# Altium PCB RaspberryHatBoard1.PcbDoc (part 3 of 3)
Units mm, origin at the board's own origin, x right, y up, seen from the top; angles counter-clockwise.
Board outline 65 x 56 mm, 2 copper layers (Top Layer, Bottom Layer); 197 components, 133 nets, 606 pads, 245 vias.
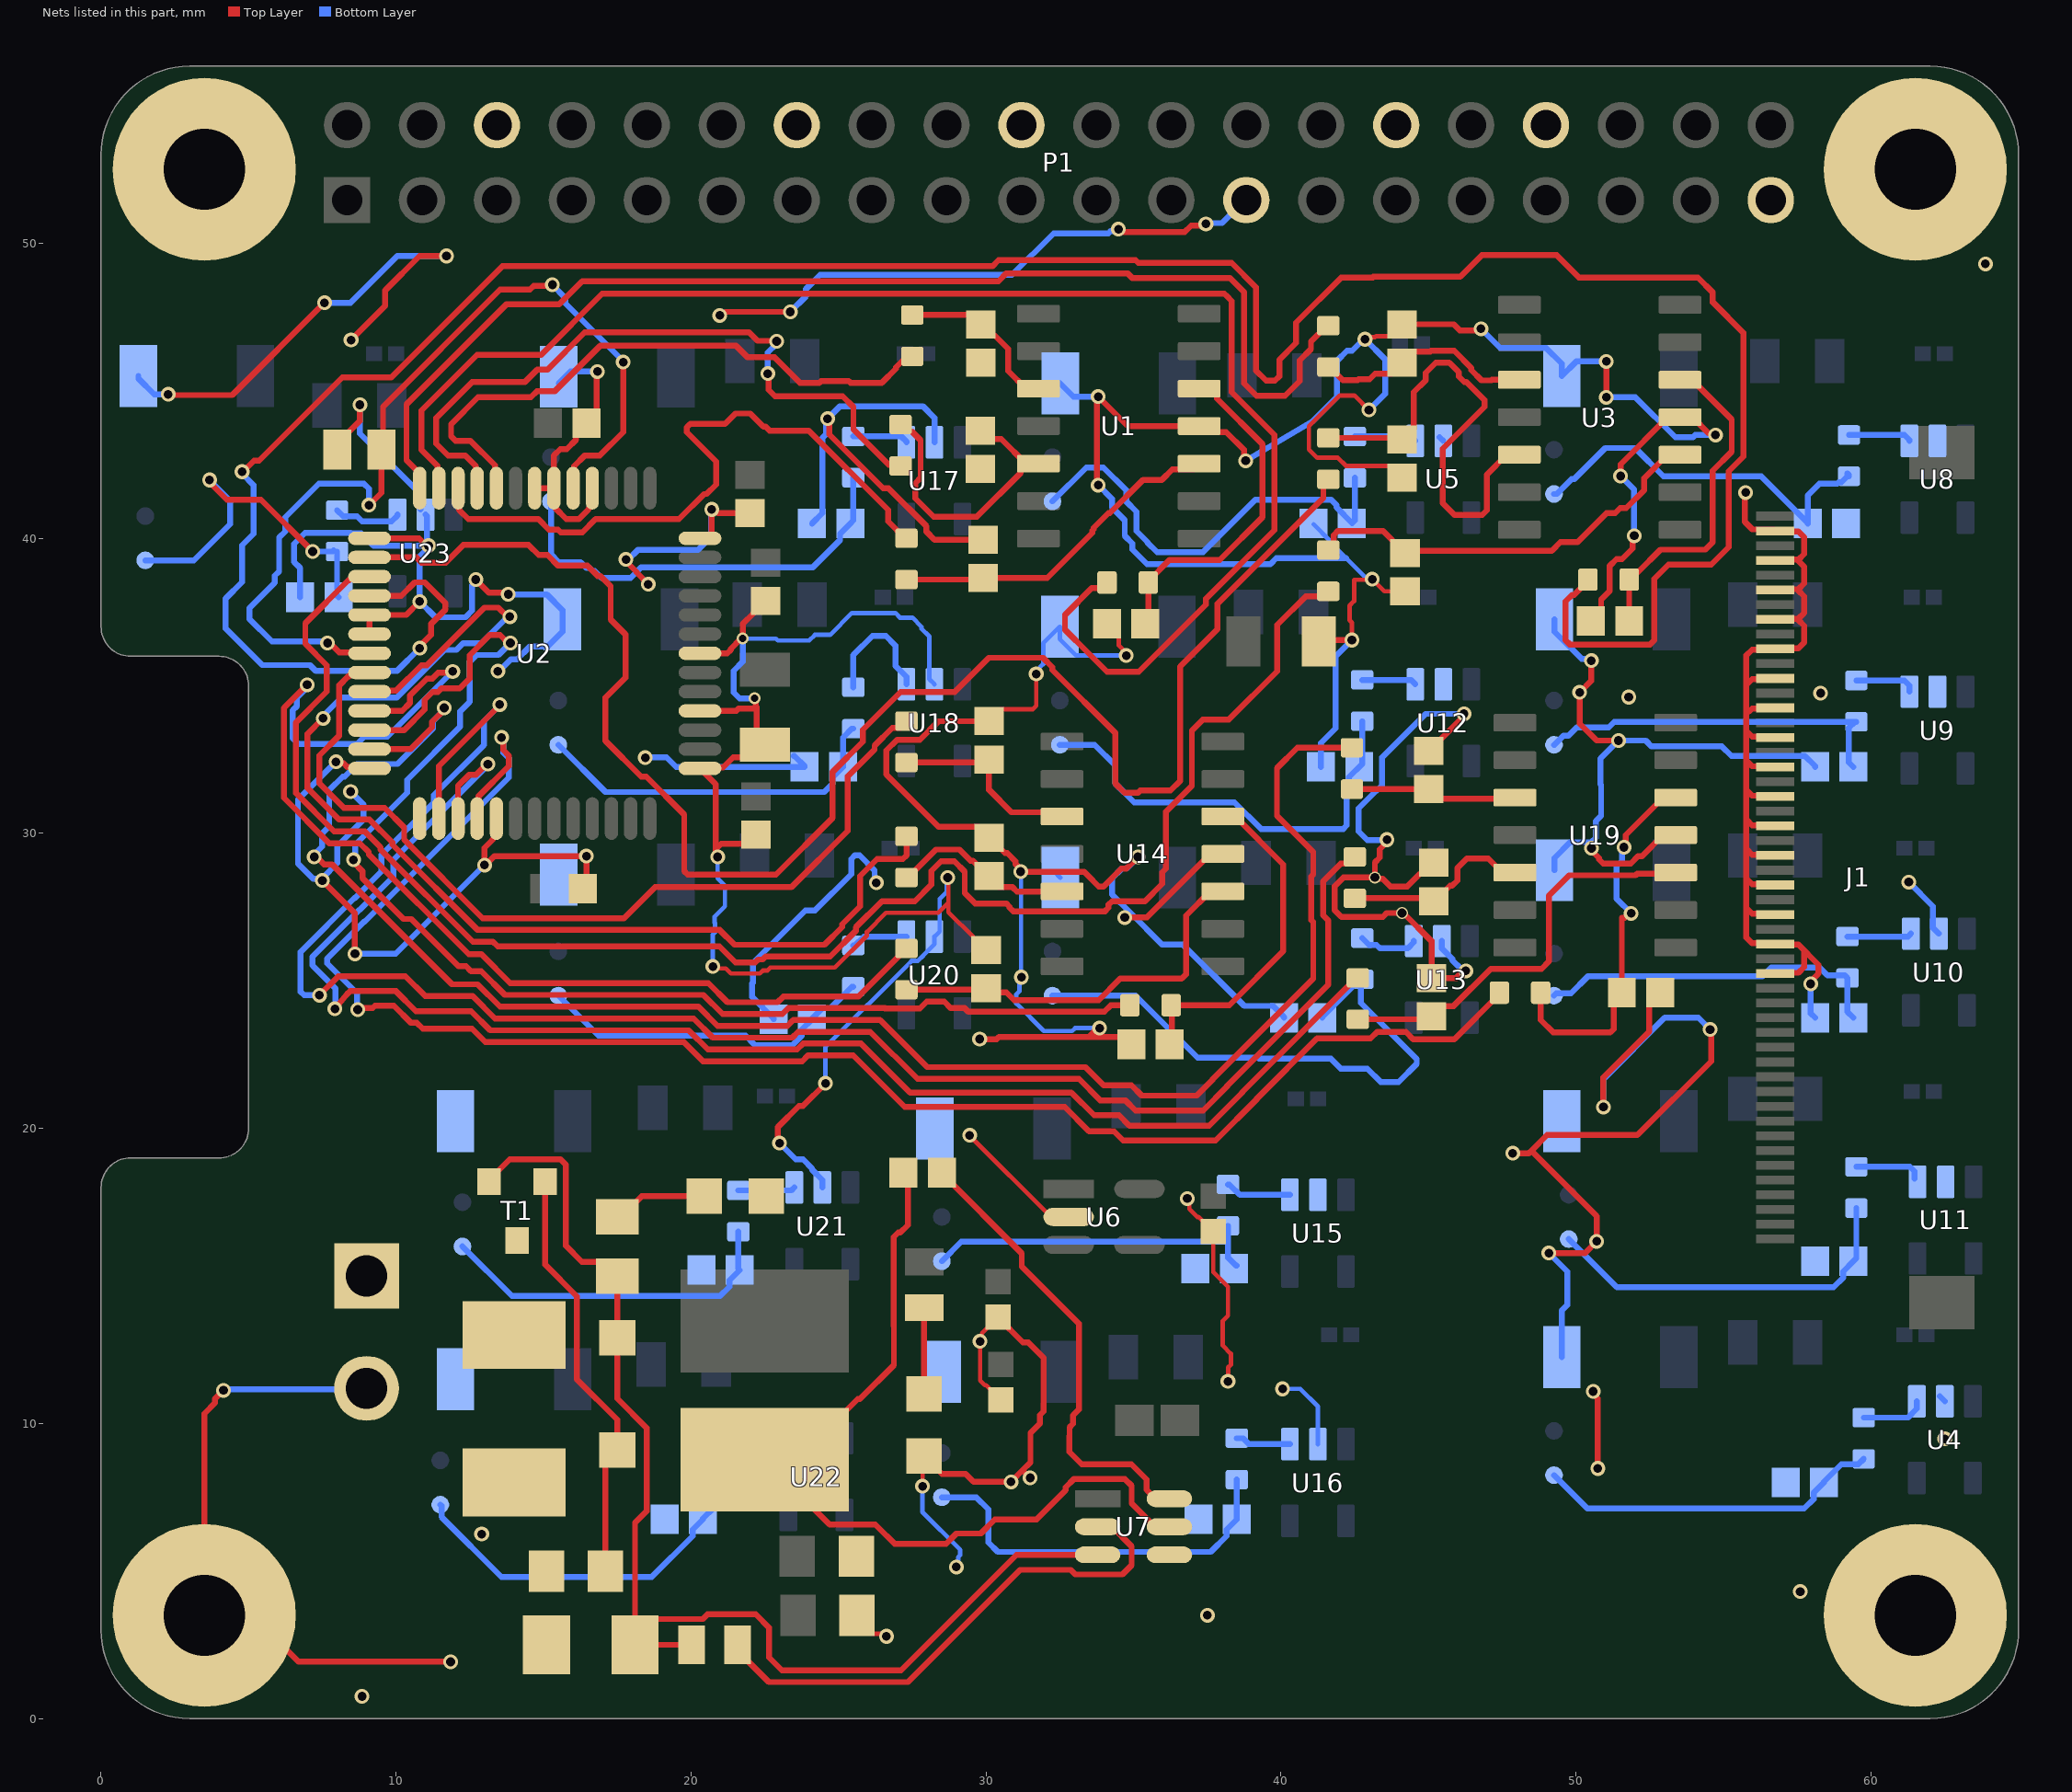
[diagram p3: the nets of this part, all layers, seen from the top]

## Via types
v1: diameter 0.5, hole 0.3, Top Layer to Bottom Layer, tented both sides, 235 vias
v2: diameter 0.4, hole 0.3, Top Layer to Bottom Layer, tented both sides, 3 vias
v3: diameter 0.4, hole 0.2, Top Layer to Bottom Layer, tented both sides, 3 vias
v4: diameter 0.5, hole 0.3, Top Layer to Bottom Layer, 2 vias
v5: diameter 0.4, hole 0.25, Top Layer to Bottom Layer, tented both sides, 2 vias

## Nets (pads, with @x,y where several pads share a name; then routed paths per layer and width w, separated by ;. In a path a pad name is that pad's centre, name@x,y a point inside that pad or via, vN(x,y) a via of type N, cw(c..) or ccw(c..) an arc to the next point about the centre after c; other vN are vias at no path point) (continued)
GND: C1.1 C3.2 C4.2 C5.1 C6.1 C7.1 C8.1 C9.2 C10.2 C11.2 C12.2 C13.2 C14.2 C15.2 C16.2 C17.2 C18.2 C19.2 C20.2 C21.2 C22.2 C23.2 C24.2 C25.2 C26.2 C27.2 C28.2 C29.2 C30.2 C31.2 C32.2 C33.2 C34.2 C35.2 C36.2 C37.2 C38.2 C39.2 C40.2 C41.2 C42.2 C43.1 C44.1 C45.1 C46.1 C47.2 D1.1 D2.1 D3.1 D4.1 D5.1 D6.1 D7.1 D8.1 D9.1 D10.1 D11.1 D12.1 D13.1 D14.1 D15.1 D16.1 D17.2 D19.1 D20.1 J1.2 J1.4 J1.6 J1.8 J1.10 J1.12 J1.14 J1.16 J1.18 J1.20 J1.22 J1.24 J1.26 J1.28 J1.30 J1.32 J3.2 P1.6 P1.14 P1.20 P1.25 P1.30 P1.34 P1.39 pad.0 R17.1 U1.11 U2.4 U2.6 U2.7 U2.14 U2.18 U2.19 U2.26 U2.27 U2.31 U2.40 U2.43 U2.46 U2.52 U3.11 U4.2 U5.2 U6.2 U7.4 U8.2 U9.2 U10.2 U11.2 U12.2 U13.2 U14.11 U15.2 U16.2 U17.2 U18.2 U19.11 U20.2 U21.2 U22.2 U23.2 | length 499.3
  Top Layer w0.15: v1(20.737,25.488) 20.804,25.421 21.178,25.421 21.349,25.25 22.333,25.25 22.433,25.35 22.584,25.35 22.684,25.45 24.873,25.45 25.959,26.536 25.959,26.659 26.606,27.305 28.38,27.305 28.725,27.65 ; C11.2@25.625,3.5 25.625,3.4 26.15,2.875 26.443,2.875 26.529,2.789 v1(26.624,2.789) ; v1(27.849,7.873) 27.849,8.849 D20.1@27.9,8.9 ; v1(28.7,28.5) 28.725,28.475 28.725,27.65 ; v1@29.432,19.767 32.199,17 U6.2@32.799,17 ; v1(29.793,12.783) 29.796,12.781 29.796,11.459 29.957,11.298 30,11.298 C6.1@30.499,10.799 ; v1@29.801,12.776 29.86,12.835 29.86,13.06 C8.1@30.399,13.599 ; C27.2@30,26.05 29.975,26.05 29.575,26.45 29.575,26.475 28.725,27.325 28.725,27.65 ; C25.2@30.1,33.8 30.5,34.2 31.579,34.2 31.7,34.321 v1(31.7,35.4) ; C13.2@34.1,37.1 34.5,36.7 34.5,36.37 34.75,36.12 v1(34.75,36.025) ; v1(36.821,17.625) 36.888,17.558 36.888,17.267 37.157,16.998 37.2,16.998 C7.1@37.699,16.499 ; C7.1@37.7,16.499 37.7,15.128 38.2,14.628 38.2,13.658 38.025,13.483 38.025,12.639 38.3,12.364 38.3,11.992 38.208,11.9 38.208,11.433 v1(38.2,11.425) ; v1(42.4,36.55) 42.4,37.144 42.323,37.221 42.323,37.721 42.475,37.872 42.475,38.593 43.073,38.593 v1(43.09,38.61) 43.5,38.2 C19.2@44.2,38.2 ; v1(42.845,46.745) 42.912,46.812 43.179,46.812 43.217,46.85 43.7,46.85 C17.2@44.1,47.25 ; v1(42.977,44.347) 42.484,44.839 41.989,44.839 40.945,43.796 40.945,43.004 41.222,42.727 41.924,42.727 42.201,42.45 43.7,42.45 C18.2@44.1,42.05
  Top Layer w0.2: v1(2.275,44.875) 2.3,44.85 4.444,44.85 v1(7.575,47.981) ; v4(4.15,11.125) 3.865,10.84 3.865,10.698 3.5,10.333 pad.0@3.5,3.5 5.124,3.5 6.699,1.925 v1(11.85,1.925) ; v1(7.5,28.4) 8.606,27.294 v1(8.606,25.917) ; v1(7.964,32.426) 8.021,32.368 8.222,32.368 8.343,32.248 9.052,32.248 U2.26@9.1,32.2 ; C1.1@8,43 8,43.2 8.775,43.975 v1(8.775,44.525) ; v1(8.475,46.719) 9.635,47.878 9.635,48.403 10.798,49.566 v1(11.71,49.566) ; U2.19@9.1,36.75 U2.18@9.1,37.4 10.343,37.4 v1(10.8,37.857) ; U2.14@9.1,40 10.783,40 11.033,39.75 v1(11.1,39.75) ; v1(12.7,38.6) 13.15,38.15 13.75,38.15 v1(13.8,38.1) ; D17.2@12.977,9.023 D17.2@14,8 ; v1@13.389,35.494 v1(13.453,35.494) ; U2.31@13.47,30.429 13.47,30.002 13.275,29.807 13.275,29.783 13,29.508 v1(13,28.925) 13.028,28.925 13.331,29.228 v1(16.452,29.228) 16.452,28.352 C42.2@16.289,28.189 ; U2.7@14.7,41.7 U2.6@15.35,41.7 ; U2.4@16.65,41.7 16.65,41.132 16.525,41.007 16.525,40.974 16.199,40.648 15.771,40.648 15.388,41.032 15.388,41.662 U2.6@15.35,41.7 ; v1(16.825,45.65) 16.798,45.623 16.798,44.248 C43.1@16.45,43.9 16.102,43.552 16.102,43.338 15.783,43.019 15.563,43.019 15.35,42.806 U2.6@15.35,41.7 ; v1(17.793,39.282) 17.793,39.218 18.15,38.861 18.15,38.84 v1(18.548,38.442) ; U2.43@20.3,34.15 21.533,34.15 21.607,34.224 22.224,34.224 ; U2.46@20.3,36.1 21.23,36.1 21.347,36.217 21.347,36.253 21.655,36.562 21.712,36.562 v5(21.75,36.6) 21.75,37.1 22.125,37.475 22.125,37.5 22.5,37.875 C45.1@22.525,37.875 ; U2.52@20.3,40 20.583,40 20.699,40.115 v1(20.699,40.977) ; v1@20.675,40.977 20.78,40.977 20.907,40.85 C46.1@22,40.85 ; U2.40@20.7,32.159 20.659,32.2 U2.40@20.3,32.2 20.837,31.663 20.837,29.463 ; U2.40@20.75,32.2 20.788,32.238 21.088,32.238 21.425,32.575 21.799,32.575 C47.2@22.224,33 ; v1(20.9,29.2) 20.843,29.257 20.843,29.414 20.837,29.419 20.837,29.463 ; v1(20.975,47.551) 21.056,47.551 21.177,47.672 v1(23.365,47.672) ; v5(22.15,34.574) 22.188,34.536 22.188,34.31 22.224,34.274 22.224,34.224 ; C44.1@22.175,29.95 21.875,29.65 21.025,29.65 20.837,29.463 ; C47.2@22.5,33 C47.2@22.224,33 ; v1(23,19.5) 22.945,19.555 22.945,20.05 23.654,20.759 23.792,20.759 v1(24.558,21.525) ; v1(24.625,44.05) 24.682,43.993 24.682,43.518 26.505,41.695 26.691,41.695 27.98,40.406 27.98,40.22 28.25,39.95 C9.2@29.9,39.95 ; D20.1@28.306,8.494 28.507,8.293 29.307,8.293 29.575,8.025 v1(30.846,8.025) ; C4.2@29.775,42.35 C4.2@29.8,42.35 ; v1(29.782,23.027) 30.359,23.027 30.432,23.101 33.474,23.101 ; C25.2@30.1,33.8 28.386,33.8 27.756,33.17 26.984,33.17 26.62,32.806 26.62,31.994 28.389,30.225 29.725,30.225 C26.2@30.1,29.85 30.125,29.85 30.641,29.334 30.716,29.334 30.993,29.056 30.993,28.966 31.175,28.784 v1(31.175,28.703) ; C8.1@30.4,13.599 31.251,12.749 31.428,12.749 31.95,12.228 31.95,10.408 31.829,10.287 31.829,9.998 31.505,9.674 31.505,8.684 31.235,8.415 ; v1@30.896,8.075 31.235,8.415 ; v1@31.175,28.7 33.324,28.7 33.6,28.424 33.6,28.414 33.818,28.196 33.984,28.196 34.588,28.8 34.75,28.8 v1(35.15,29.2) ; v1(31.492,8.158) 31.235,8.415 ; v1(33.8,41.8) 33.763,41.838 33.763,44.762 v1(33.8,44.8) 34.8,43.8 U1.11@37.225,43.8 37.425,43.6 38.14,43.6 38.743,42.997 38.743,42.684 v1(38.8,42.626) ; v1(33.85,23.4) 33.774,23.4 33.474,23.101 ; v1(34.487,50.471) 34.568,50.471 34.664,50.375 36.729,50.375 36.952,50.598 37.394,50.598 v4(37.451,50.655) ; v1(34.7,27.15) 35.45,27.15 37.6,29.3 U14.11@38.025,29.3 ; C29.2@34.925,22.85 34.674,23.101 33.474,23.101 ; C41.2@41.276,36.5 41.326,36.55 v1(42.4,36.55) ; v2@43.219,28.466 43.434,28.466 43.698,28.202 44.278,28.202 44.701,28.625 44.775,28.625 45.087,28.937 C34.2@45.087,29 ; v1(43.59,29.785) 43.59,29.704 43.348,29.463 43.348,29.182 43.18,29.014 v2(43.18,28.504) 42.118,28.504 41.82,28.206 41.82,27.394 42.044,27.17 43.449,27.17 43.579,27.3 v2(44.1,27.3) ; C17.2@44.1,47.25 45.854,47.25 46.061,47.043 46.718,47.043 v1(46.775,47.1) ; v2@44.11,27.31 44.14,27.31 45.1,26.35 C35.2@45.1,25.1 45.941,25.1 46.18,25.339 v1(46.261,25.339) ; C33.2@45,32.8 45.025,32.8 46.198,33.973 v1(46.198,34.05) ; v1(47.85,19.16) 48.402,19.16 48.483,19.242 ; v1(49.075,15.775) 50.302,15.775 v1(50.7,16.173) 50.7,17.025 48.483,19.242 ; v1(50.123,34.775) v1@50.125,34.775 ; C21.2@50.5,37.2 50.848,37.548 50.848,37.924 51.143,38.219 51.143,39.067 51.372,39.296 51.556,39.296 51.912,39.652 51.912,40.027 v1(51.97,40.084) ; v1(50.516,35.85) 50.516,35.168 50.125,34.778 v1@50.125,34.775 ; v1(50.522,29.498) 50.522,29.417 50.78,29.158 50.78,29.12 50.922,28.978 51.85,28.978 52.096,29.225 52.235,29.225 52.95,29.94 U19.11@53.375,29.94 ; v1@50.575,11.05 50.575,11.01 50.735,10.85 v1(50.735,8.477) ; v1(50.925,20.725) 50.925,21.728 52.475,23.278 52.475,24.225 C37.2@52.85,24.6 ; v1(51.025,44.775) v1@51.026,45.999 ; v1(51.438,33.144) 50.697,33.144 50.125,33.715 v1@50.125,34.775 ; v1(51.507,42.107) 51.507,42.507 53.1,44.1 53.95,44.1 54.493,43.557 54.668,43.557 v1(54.725,43.5) ; v1(54.544,23.352) 54.58,23.316 54.58,22.277 52.078,19.775 49.017,19.775 48.483,19.242 ; v1(55.75,41.55) 55.725,41.525 55.725,40.551 55.976,40.3 56.7,40.3 J1.2@56.75,40.25 56.773,40.227 57.535,40.227 57.727,40.035 57.727,39.465 57.535,39.273 56.773,39.273 J1.4@56.75,39.25 ; J1.32@56.75,25.25 56.773,25.273 57.535,25.273 57.727,25.465 57.727,26.035 ; J1.28@56.75,27.25 56.727,27.273 55.965,27.273 55.773,27.465 ; J1.26@56.75,28.25 56.727,28.273 55.965,28.273 55.773,28.465 ; J1.24@56.75,29.25 56.727,29.273 55.965,29.273 55.773,29.465 ; J1.22@56.75,30.25 56.727,30.273 55.965,30.273 55.773,30.465 ; J1.20@56.75,31.25 56.727,31.273 55.965,31.273 55.773,31.465 ; J1.18@56.75,32.25 56.727,32.273 55.965,32.273 55.773,32.465 ; J1.16@56.75,33.25 56.727,33.273 55.965,33.273 55.773,33.465 ; J1.14@56.75,34.25 56.727,34.227 55.965,34.227 55.869,34.131 55.773,34.227 ; J1.12@56.75,35.25 56.727,35.227 55.965,35.227 55.773,35.035 ; J1.8@56.75,37.25 56.773,37.273 57.535,37.273 57.727,37.465 57.727,38.035 57.535,38.227 ; J1.6@56.75,38.25 56.773,38.273 57.535,38.273 57.727,38.465 57.727,39.035 57.535,39.227 ; 57.535,37.227 57.727,37.035 57.727,36.465 57.535,36.273 56.773,36.273 J1.10@56.75,36.25 56.727,36.227 55.965,36.227 55.773,36.035 55.773,35.035 ; v1(57.95,24.9) 57.95,24.981 58.212,25.244 58.212,25.55 57.535,26.227 56.773,26.227 J1.30@56.75,26.25 56.727,26.273 55.965,26.273 55.773,26.465 55.773,27.465 ; C47.2@22.224,33 22.224,34.224 ; 55.773,27.465 55.773,28.465 ; 55.773,28.465 55.773,29.465 ; 55.773,29.465 55.773,30.465 ; 55.773,30.465 55.773,31.465 ; 55.773,31.465 55.773,32.465 ; 55.773,32.465 55.773,33.465 ; 55.773,33.465 55.773,34.227 ; 55.773,34.227 55.773,35.035
  Bottom Layer w0.15: v1(20.737,25.488) 20.737,26.569 20.81,26.642 20.81,26.966 20.801,26.975 20.801,27.182 21.15,27.531 21.15,28.23 20.9,28.48 v1(20.9,29.2) ; v5(21.75,36.6) 22.879,36.6 22.944,36.535 24.006,36.535 24.196,36.725 24.714,36.725 25.453,37.464 26.924,37.464 27.078,37.31 27.502,37.31 27.81,37.002 27.81,36.935 28.076,36.669 28.076,35.224 U18.2@28.25,35.05 ; v1(24.558,21.525) 24.55,21.533 24.55,22.753 27.472,25.675 27.684,25.675 27.875,25.866 27.875,25.875 28.25,26.25 U20.2@28.25,26.5 28.424,26.674 28.424,27.779 28.67,28.025 28.67,28.47 v1(28.7,28.5) ; v1(27.849,7.873) 27.842,7.865 27.842,7.003 29.125,5.72 29.125,5.541 29.056,5.472 29.056,5.208 v1(28.989,5.141) ; v1(31.2,25.125) v1@31.05,25.125 ; v1(31.7,35.4) 31.7,35.495 31.94,35.735 31.94,36.44 D7.1@32.5,37 32.5,36.585 33.06,36.025 v1(34.75,36.025) ; D8.1@32.515,28.5 32.312,28.703 v1(31.175,28.703) 31.187,28.691 31.187,25.262 v1@31.05,25.125 ; v1(33.85,23.4) 33.018,23.4 32.918,23.3 31.957,23.3 31.025,24.232 31.025,24.543 31.133,24.651 31.133,25.042 v1@31.05,25.125 ; v1(40.05,11.175) 40.65,11.175 41.25,10.575 U16.2@41.25,9.3 ; C22.2@41.1,40.475 41.65,39.925 41.65,39.886 42.211,39.325 42.859,38.677 43.023,38.677 v1(43.09,38.61)
  Bottom Layer w0.2: D16.1@1.265,45.5 1.265,45.41 1.8,44.875 v1(2.275,44.875) ; v4(4.15,11.125) 4.183,11.158 8.968,11.158 J3.2@9,11.19 ; C40.2@6.75,38 6.75,38.989 6.544,39.195 6.544,39.811 6.913,40.18 8.456,40.18 8.468,40.169 8.815,40.169 9.233,39.75 v1(11.1,39.75) ; v1(7.575,47.981) 8.456,47.981 10.041,49.566 v1(11.71,49.566) ; v1(7.964,32.426) 6.675,31.137 6.675,28.972 7.19,28.457 7.443,28.457 v1(7.5,28.4) 7.5,28.481 8.007,28.988 8.007,29.572 8.896,30.462 8.896,30.979 v1(8.46,31.415) ; v1@8.625,25.85 8.692,25.917 9.992,25.917 v1(13,28.925) ; v1(8.775,44.525) 8.772,44.522 8.772,43.553 10.827,41.498 U23.2@10.827,40.973 ; U23.2@11,40.8 11.053,40.747 11.053,39.796 v1(11.1,39.75) ; v1(12.7,38.6) 12.7,38.533 12.577,38.41 12.577,37.544 12.356,37.323 11.334,37.323 v1(10.8,37.857) 10.8,39.383 11.123,39.706 11.123,39.726 v1(11.1,39.75) ; v1(13.453,35.494) 13.484,35.494 13.891,35.9 14.103,35.9 14.53,36.327 15.132,36.327 15.64,36.835 15.64,37.565 15.105,38.1 v1(13.8,38.1) ; D11.1@15.515,45.25 15.915,45.65 v1(16.825,45.65) ; v1(17.793,39.282) 17.875,39.282 18.193,39.6 20.225,39.6 20.675,40.05 20.675,40.953 v1(20.699,40.977) ; v1(18.446,32.563) 18.458,32.575 19.167,32.575 19.492,32.25 C32.2@23.85,32.25 23.85,32.275 23.502,32.623 C32.2@23.477,32.623 ; v5(21.75,36.6) 21.75,35.816 21.442,35.508 21.442,34.778 21.646,34.574 v5(22.15,34.574) ; C36.2@22.8,23.7 22.8,23.725 22.073,24.452 22.073,24.915 22.1,24.942 22.1,25.608 23.876,27.384 24.196,27.384 25.433,28.62 25.433,29.134 25.55,29.251 25.715,29.251 26.22,28.746 26.22,28.38 v1(26.278,28.322) ; v1(23,19.5) 23.55,18.95 23.794,18.95 24.1,18.644 24.1,18.6 24.45,18.25 U21.2@24.45,18 ; v1(23.365,47.672) 23.897,48.204 23.897,48.449 24.371,48.923 30.877,48.923 32.289,50.334 34.149,50.334 34.228,50.413 34.43,50.413 v1(34.487,50.471) ; U22.2@24.077,9.673 U22.2@24.25,9.5 ; C31.2@24.1,40.5 24.448,40.848 24.448,43.4 24.568,43.52 24.568,43.993 25.05,44.475 27.858,44.475 28.25,44.083 U17.2@28.25,43.25 ; D6.1@32.515,45.25 32.965,44.8 v1(33.8,44.8) ; v1(33.8,41.8) 34.266,41.334 34.266,41.046 34.7,40.612 34.7,40.081 34.957,39.824 34.957,39.625 35.458,39.125 39.639,39.125 39.839,39.325 42.211,39.325 ; v1(34.7,27.15) v1@34.875,27.325 ; v1(35.15,29.2) 34.76,28.81 34.607,28.81 34.275,28.478 34.275,27.925 v1@34.875,27.325 ; v4(37.451,50.655) 37.476,50.68 38.001,50.68 38.781,51.46 P1.25@38.82,51.46 ; v1(38.8,42.626) 41.057,43.957 41.9,44.8 41.9,46.02 42.234,46.354 42.411,46.354 42.803,46.745 v1(42.845,46.745) 43.525,46.065 43.525,44.895 v1(42.977,44.347) ; C24.2@40.1,23.75 40.1,23.775 39.725,24.15 38.752,24.15 36.675,26.227 35.973,26.227 v1@34.875,27.325 ; C23.2@41.35,32.25 41.35,33.06 41.846,33.556 41.846,35.996 v1(42.4,36.55) ; v1(43.59,29.785) 43.572,29.768 42.923,29.768 42.625,30.066 42.625,30.841 43.234,31.45 43.249,31.45 43.425,31.626 43.425,32.569 44.906,34.05 v1(46.198,34.05) ; U5.2@45.375,43.425 U5.2@45.5,43.3 ; U13.2@45.45,26.35 45.45,26.1 45.8,25.75 45.8,25.706 46.109,25.396 46.204,25.396 v1(46.261,25.339) ; v1(46.775,47.1) 47.425,46.45 48.98,46.45 49.515,45.915 D1.1@49.515,45.5 50.006,45.991 v1(51.026,45.991) ; v1(49.075,15.775) 49.7,15.15 49.7,14.017 49.515,13.832 D5.1@49.515,12.25 ; D3.1@49.265,28.75 49.265,29.165 49.8,29.7 v1@50.522,29.7 ; D2.1@49.265,37.25 49.265,36.835 50.193,35.907 50.458,35.907 v1(50.516,35.85) ; v1(50.522,29.498) v1@50.522,29.7 ; v1(50.925,20.725) 50.925,21.673 53.002,23.75 54.146,23.75 v1(54.544,23.352) ; v1(51.025,44.775) 52.012,44.775 53.363,43.425 53.966,43.425 54.041,43.5 v1(54.725,43.5) ; v1(51.507,42.107) 51.97,41.645 v1(51.97,40.084) ; v1(57.95,24.9) 57.95,23.9 C15.2@58.1,23.75 ; C14.2@58.1,32.25 58.1,32.275 57.752,32.623 55.264,32.623 54.943,32.944 52.558,32.944 52.358,33.144 v1(51.438,33.144) 50.829,32.534 50.829,31.663 50.85,31.642 50.85,30.593 50.672,30.415 50.672,29.85 v1@50.522,29.7 ; v1(61.275,28.35) 62.1,27.525 62.1,26.8 U10.2@62.3,26.6 ; U4.2@62.327,10.923 U4.2@62.5,10.75
  other v1: 8.844,0.754 37.5,3.5 57.6,4.306 12.901,6.251 62.5,9.481 50.579,11.088 29.445,19.767 51.783,34.617 58.29,34.751 63.875,49.3
NetC1_2: C1.2 U2.5 U2.20 | length 32.3
  Top Layer w0.2: v1(7.675,36.45) 7.756,36.45 8.075,36.131 9.069,36.131 U2.20@9.1,36.1 ; v1(9.078,41.119) 9.5,41.541 C1.2@9.5,43 9.557,43.057 9.557,44.458 13.527,48.428 14.542,48.428 14.669,48.555 15.265,48.555 v1(15.3,48.59) ; U2.5@16,41.7 16.038,41.738 16.038,42.445 16.399,42.806 16.906,42.806 17.7,43.6 v1(17.7,45.97)
  Bottom Layer w0.2: v1(7.675,36.45) 7.625,36.5 6.479,36.5 6.471,36.508 5.789,36.508 5.025,37.272 5.025,37.628 5.89,38.493 5.89,38.729 6.036,38.875 6.036,40.022 6.242,40.228 6.242,40.71 7.382,41.85 8.905,41.85 9.078,41.677 v1(9.078,41.119) ; v1(15.3,48.59) 15.3,48.58 15.741,48.139 15.741,47.959 17.7,46 v1(17.7,45.97)
NetC2_1: C2.1 U7.6 | length 15.8
  Top Layer w0.2: C2.1@28.5,18.5 28.5,18.475 31.21,15.765 31.21,15.318 33.144,13.384 33.144,10.47 32.95,10.276 32.95,9.993 32.829,9.873 32.829,9.584 32.823,9.578 32.823,9.038 33.24,8.622 34.923,8.622 35.443,8.101 35.443,7.755 35.748,7.45 U7.6@36.216,7.45
NetC2_2: C2.2 L1.1 U7.5 | length 29.4
  Top Layer w0.2: C2.2@27.2,18.5 27.35,18.35 27.35,16.725 27.095,16.47 27.024,16.47 26.868,16.314 26.868,13.315 26.875,13.308 26.875,11.979 25.723,10.827 25.65,10.827 23.6,8.777 L1.1@22.5,8.777 24.696,6.581 26.24,6.581 26.321,6.5 26.324,6.5 26.905,5.92 28.642,5.92 28.994,6.272 29.823,6.272 30.301,6.75 31.71,6.75 32.7,7.74 32.7,7.843 32.971,8.114 34.712,8.114 34.935,7.891 34.935,7.293 35.729,6.5 U7.5@36.216,6.5
NetC3_1: C3.1 R21.1 U1.3 | length 5.7
  Top Layer w0.2: R21.1@27.497,47.564 29.506,47.564 C3.1@29.823,47.247 30.198,46.872 30.297,46.872 30.75,46.419 30.75,45.67 31.35,45.07 U1.3@31.775,45.07
NetC4_1: C4.1 R23.2 U1.5 | length 10.2
  Top Layer w0.2: R23.2@27.175,43.887 27.175,43.825 27.38,43.62 27.483,43.62 27.78,43.323 27.78,42.044 27.6,41.864 27.6,41.352 28.227,40.725 29.683,40.725 31.177,42.219 31.177,42.357 U1.5@31.35,42.53 ; C4.1@29.8,43.65 30.088,43.362 30.518,43.362 U1.5@31.35,42.53 ; U1.5@31.775,42.53 U1.5@31.35,42.53
NetC5_2: C5.2 CH1_I.1 R22.1 | length 13.1
  Bottom Layer w0.2: CH1_I.1@49.25,41.5 49.344,41.5 49.844,42 49.932,42 50.989,43.057 52.003,43.057 52.961,42.1 56.275,42.1 C5.2@57.85,40.525 ; C5.2@57.85,40.5 C5.2@57.85,40.525 ; R22.1@59.25,42.1 59.25,42.15 59.2,42.2 59.2,42.1 58.997,41.897 58.897,41.897 58.85,41.85 58.25,41.85 57.85,41.45 C5.2@57.85,40.525
NetC9_1: C9.1 R24.2 U1.10 | length 11.6
  Top Layer w0.2: R24.2@27.3,38.6 29.85,38.6 C9.1@29.9,38.65 32.072,38.65 33.6,40.178 33.6,40.257 33.65,40.307 33.65,40.353 34.147,40.85 34.194,40.85 35.324,41.981 35.961,41.981 36.31,42.33 37.025,42.33 U1.10@37.225,42.53